# KiCad board pq-register.kicad_pcb (continued)
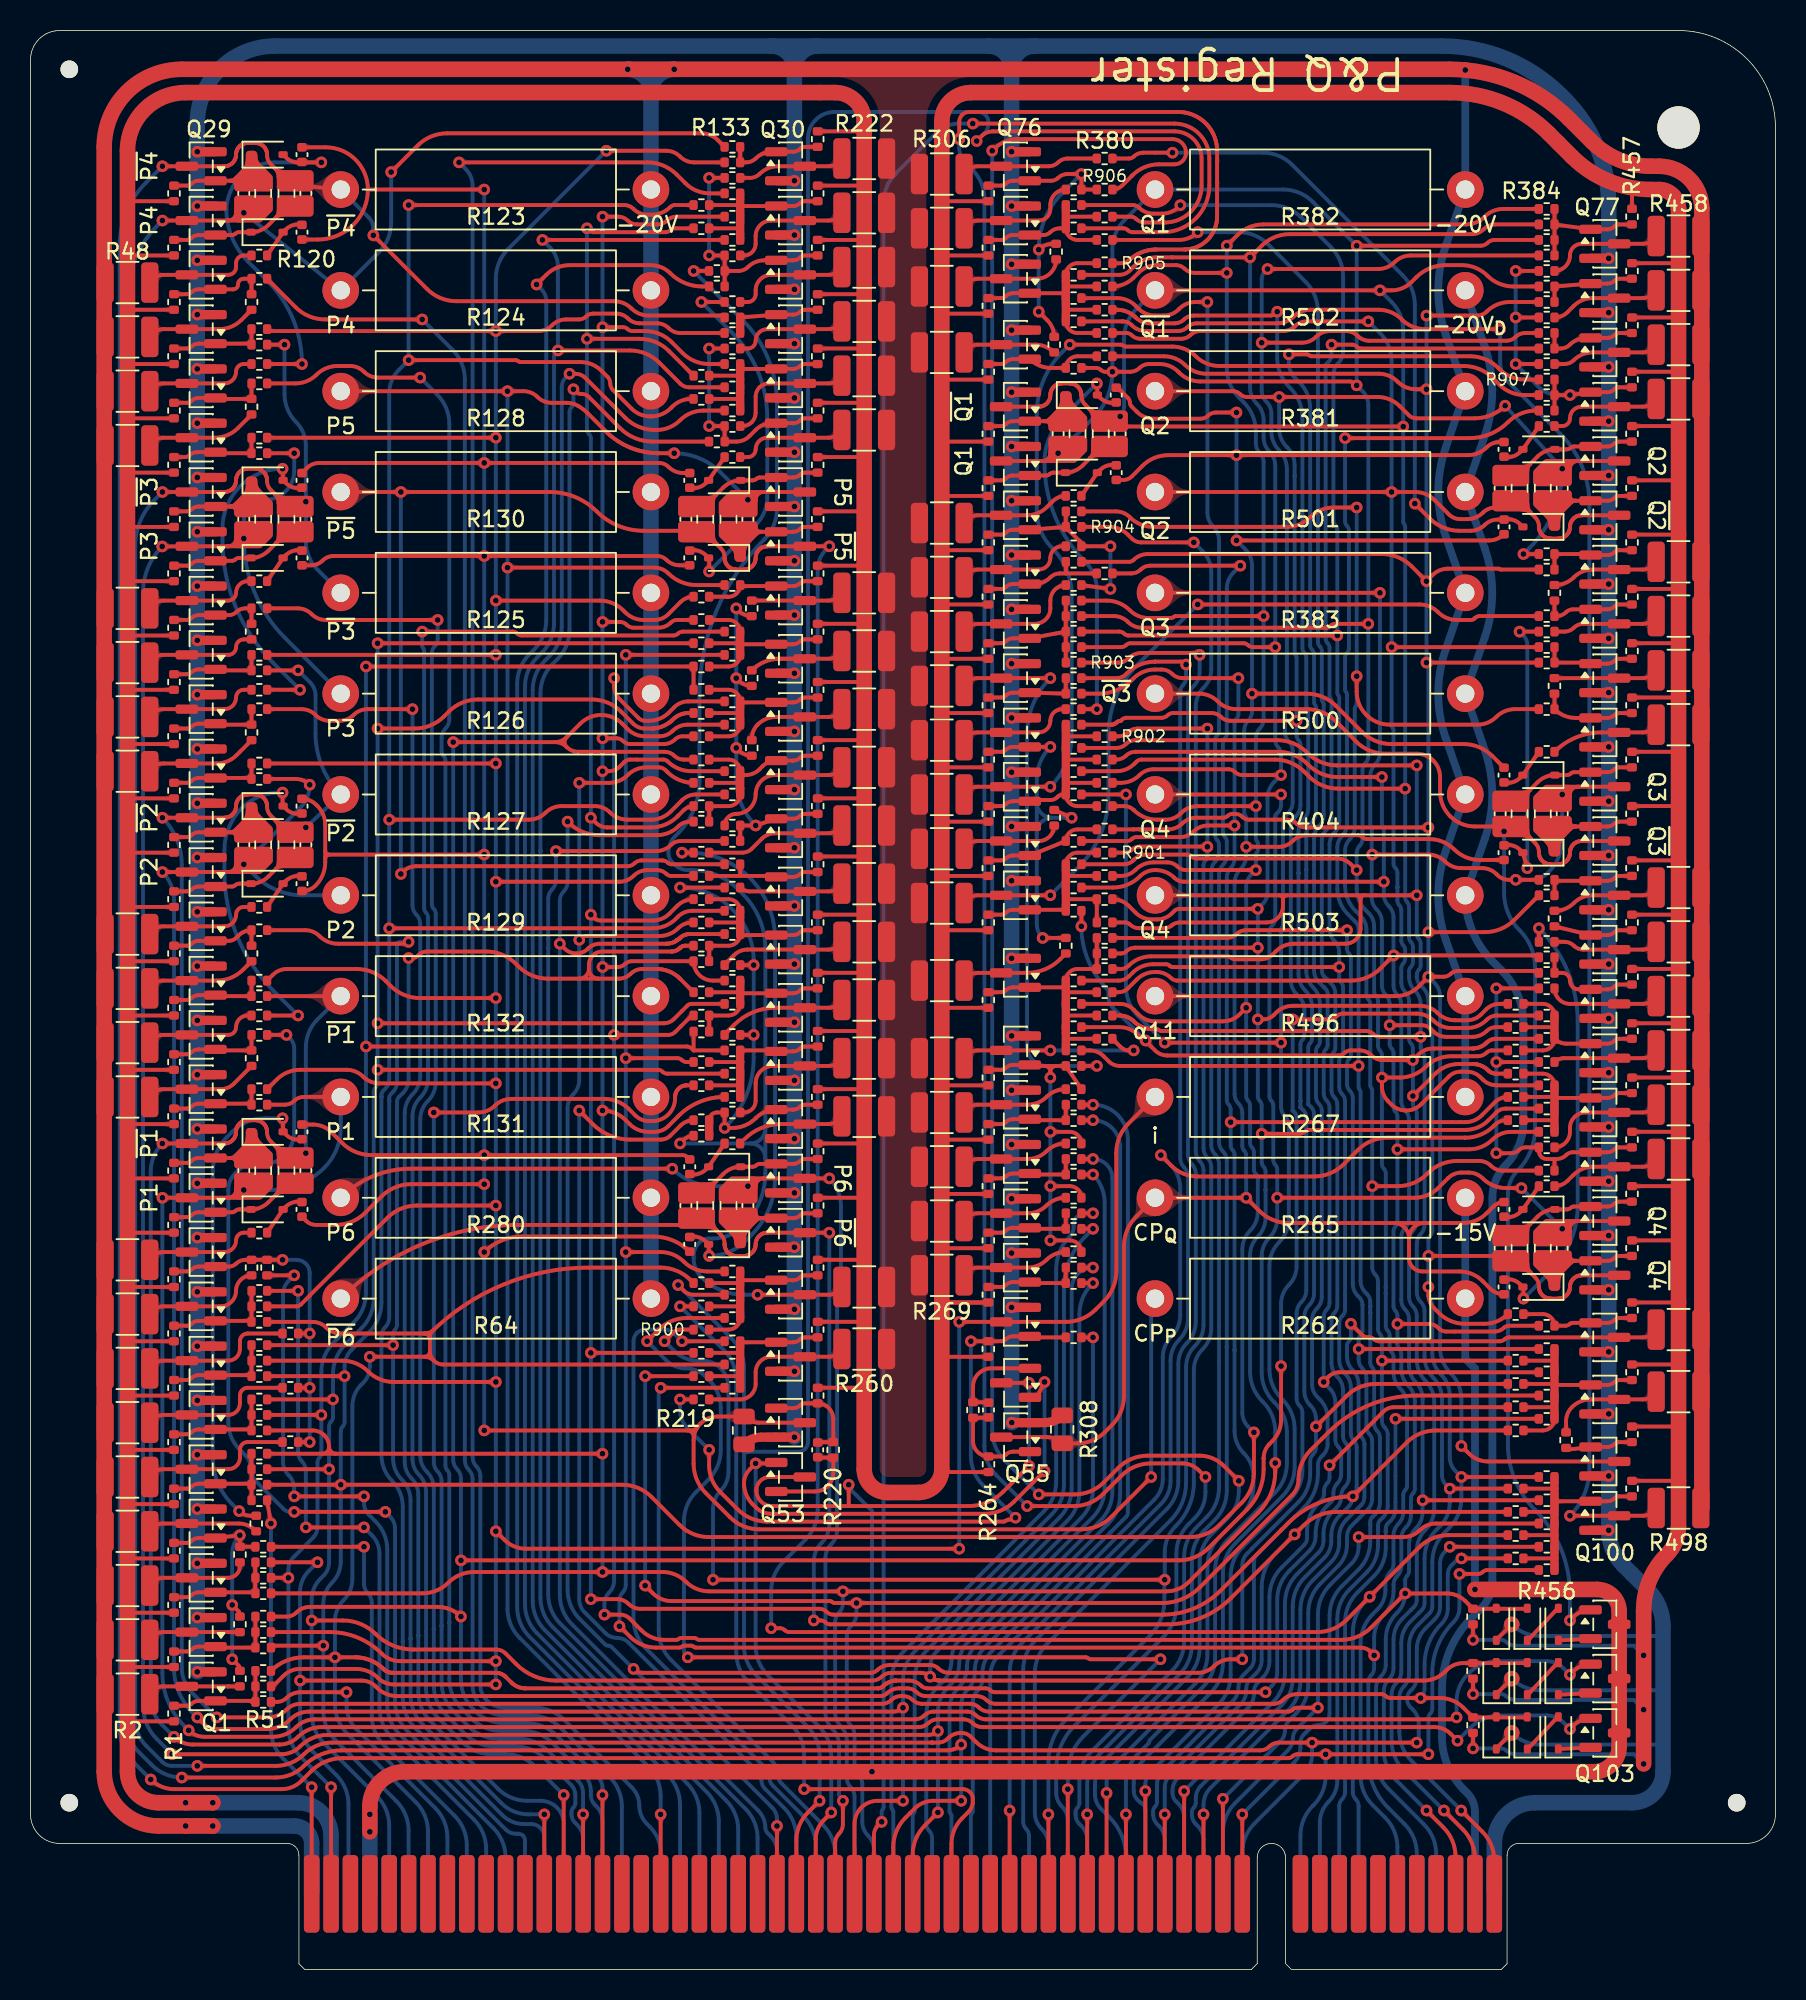
[diagram p0: board, top side]
## Routing (per net, layer and track width the routed paths; a pad name or vN(x,y) marks a point on that pad's centre or on a via; arc(x,y) is an arc through that point) (continued)
~{C}: length 92.4
  Top w0.254: R352.1 71.14,84.58 arc(71.47,84.65) 71.76,84.84 71.82,84.9 arc(72.66,85.46) 73.66,85.66 73.66,85.66 arc(73.66,85.66) 73.67,85.67 75.36,85.67 arc(75.49,85.64) 75.59,85.57 v1(75.69,85.47) ; v1(64.14,10.41) 64.14,4.95
  Bottom w0.254: v1(64.14,10.41) 64.14,19.45 arc(64.34,20.5) 64.93,21.38 74.05,30.5 arc(74.51,31.19) 74.68,32 74.68,39.88 arc(74.82,40.62) 75.25,41.26 arc(75.67,41.89) 75.82,42.63 75.82,51.92 arc(75.75,52.25) 75.56,52.53 arc(75.38,52.82) 75.31,53.15 75.31,83.68 arc(75.36,83.93) 75.5,84.14 arc(75.64,84.35) 75.69,84.6 v1(75.69,85.47)
~{Faf}: length 94.7
  Top w0.254: R333.1 78.38,67.56 arc(78.71,67.63) 78.99,67.82 arc(79.28,68.01) 79.61,68.07 v1(86.23,68.07) ; v1(86.99,40.64) R439.1 ; v1(78.11,11.18) 78.11,4.95
  Bottom w0.254: v1(86.23,68.07) 86.23,66.85 arc(86.27,66.69) 86.36,66.55 arc(86.45,66.41) 86.49,66.24 86.49,59.93 arc(86.45,59.77) 86.36,59.62 arc(86.27,59.48) 86.23,59.32 86.23,58 arc(86.28,57.75) 86.42,57.54 arc(86.56,57.33) 86.61,57.08 86.61,44.9 arc(86.7,44.48) 86.93,44.13 87.04,44.02 arc(87.2,43.79) 87.25,43.52 87.25,41.84 arc(87.22,41.67) 87.12,41.53 arc(87.03,41.39) 86.99,41.22 v1(86.99,40.64) 86.99,39.97 arc(87.06,39.63) 87.25,39.35 arc(87.44,39.07) 87.5,38.74 87.5,35.54 arc(87.55,35.29) 87.69,35.08 arc(87.83,34.86) 87.88,34.62 87.88,30.86 arc(87.8,30.45) 87.57,30.1 86.55,29.08 arc(86.31,28.73) 86.23,28.32 86.23,27.81 arc(86.09,27.08) 85.67,26.45 84.49,25.27 arc(83.9,24.39) 83.69,23.35 83.69,18.65 arc(83.49,17.65) 82.93,16.81 82.45,16.33 arc(82.24,16.01) 82.17,15.64 arc(82.09,15.27) 81.88,14.96 v1(78.11,11.18)
~{F}: length 177.5
  Top w0.254: v1(61.98,119.76) 62.3,120.09 arc(62.64,120.32) 63.05,120.4 63.45,120.4 arc(63.48,120.4) 63.51,120.4 arc(63.54,120.4) 63.58,120.4 74.93,120.4 arc(76.19,119.88) 76.71,118.62 76.71,116.84 arc(76,115.13) 74.3,114.43 73,114.43 arc(72.67,114.49) 72.39,114.68 arc(72.25,114.77) 72.08,114.81 R377.1 ; 50.16,4.95 50.16,8.45 arc(50.36,9.44) 50.93,10.29 v1(51.69,11.05) ; v1(42.42,44.83) 42.78,44.47 arc(43.08,44.27) 43.43,44.2 R211.1
  Bottom w0.254: v1(51.69,11.05) 51.69,13.99 arc(51.48,15.03) 50.89,15.91 47.53,19.27 arc(46.94,20.15) 46.74,21.19 46.74,33.63 ; v1(42.42,44.83) 45.94,41.31 arc(46.53,40.43) 46.74,39.39 46.74,34.19 ; 46.74,33.63 46.74,34.19 ; 46.74,33.63 arc(46.82,33.83) 47.02,33.91 ; v1(61.98,119.76) 62.47,120.25 arc(62.67,120.55) 62.74,120.9 62.74,121.02 arc(62.69,121.26) 62.55,121.48 arc(62.34,121.62) 62.09,121.67 52.66,121.67 arc(52,121.53) 51.44,121.16 arc(51.06,120.6) 50.93,119.93 50.93,34.56 arc(50.88,34.31) 50.74,34.1 arc(50.53,33.96) 50.28,33.91 47.02,33.91 ; 46.74,34.19 arc(46.82,33.99) 47.02,33.91
~{G}: length 285.5
  Top w0.254: R216.1 27.03,39.62 arc(26.7,39.69) 26.42,39.88 ; R441.1 85.73,39.12 arc(85.34,39.04) 85.01,38.82 84.72,38.53 arc(84.71,38.52) 84.71,38.5 v1(84.71,38.48) ; 25.78,41.66 26.16,41.66 ; 25.78,41.66 25.81,41.66 arc(26.14,41.72) 26.42,41.91 26.34,41.83 arc(26.21,41.63) 26.16,41.4 ; 25.78,41.66 20.3,41.66 arc(19.8,41.76) 19.38,42.04 arc(18.96,42.32) 18.46,42.42 R79.1 ; 25.78,41.66 arc(26.05,41.54) 26.16,41.27 ; 26.16,41.66 26.16,41.4 ; 26.16,41.66 arc(30.94,44.85) 36.59,45.97 41.27,45.97 arc(42.33,45.76) 43.22,45.17 R210.1 ; 26.16,41.27 26.16,41.4 ; 26.16,41.27 26.16,40.49 ; v1(80.9,18.16) 63.17,18.16 arc(63.01,18.19) 62.86,18.29 arc(62.72,18.38) 62.56,18.41 58.75,18.41 arc(58.53,18.46) 58.33,18.59 arc(57.96,18.84) 57.52,18.92 56.69,18.92 arc(56.69,18.92) 56.69,18.92 56.69,18.92 arc(56.68,18.92) 56.67,18.92 56.65,18.92 arc(56.63,18.92) 56.6,18.92 56.58,18.92 arc(56.57,18.92) 56.56,18.91 arc(56.55,18.91) 56.54,18.91 56.52,18.9 arc(56.49,18.9) 56.46,18.89 56.44,18.89 arc(56.4,18.88) 56.35,18.86 arc(56.3,18.85) 56.26,18.83 arc(56.21,18.81) 56.17,18.79 arc(56.13,18.77) 56.09,18.74 56.07,18.73 arc(56.05,18.72) 56.02,18.7 56,18.69 arc(56,18.68) 55.99,18.68 arc(55.98,18.67) 55.97,18.66 55.92,18.62 arc(55.91,18.61) 55.9,18.6 arc(55.89,18.6) 55.89,18.59 55.88,18.59 arc(55.87,18.57) 55.86,18.56 55.84,18.55 arc(55.83,18.53) 55.81,18.52 arc(55.8,18.51) 55.78,18.5 55.77,18.49 arc(55.75,18.48) 55.72,18.47 arc(55.7,18.45) 55.67,18.44 arc(55.64,18.44) 55.62,18.43 arc(55.59,18.42) 55.56,18.42 55.54,18.42 arc(55.53,18.42) 55.52,18.42 arc(55.5,18.42) 55.49,18.41 32.44,18.41 arc(32.42,18.42) 32.39,18.42 arc(32.36,18.42) 32.34,18.42 32.31,18.42 arc(32.26,18.42) 32.21,18.43 arc(32.16,18.44) 32.11,18.45 arc(32.06,18.46) 32.01,18.48 arc(31.97,18.5) 31.92,18.51 arc(31.87,18.53) 31.83,18.56 arc(31.78,18.58) 31.74,18.61 arc(31.69,18.63) 31.65,18.66 arc(31.61,18.69) 31.57,18.73 31.55,18.74 arc(31.53,18.76) 31.51,18.78 arc(31.5,18.8) 31.48,18.81 31.14,19.15 arc(31.13,19.16) 31.12,19.18 arc(31.1,19.19) 31.09,19.2 31.07,19.22 arc(31.04,19.24) 31.01,19.26 arc(30.97,19.29) 30.94,19.31 arc(30.9,19.33) 30.87,19.34 arc(30.83,19.36) 30.79,19.38 arc(30.76,19.39) 30.72,19.4 arc(30.68,19.41) 30.64,19.42 arc(30.6,19.42) 30.56,19.43 30.54,19.43 arc(30.52,19.43) 30.5,19.43 arc(30.48,19.43) 30.46,19.43 23.75,19.43 arc(23.73,19.43) 23.71,19.43 arc(23.69,19.43) 23.67,19.43 23.65,19.43 arc(23.61,19.44) 23.58,19.44 arc(23.54,19.45) 23.5,19.46 arc(23.47,19.47) 23.43,19.48 arc(23.4,19.5) 23.36,19.51 arc(23.33,19.53) 23.29,19.55 arc(23.26,19.57) 23.23,19.59 arc(23.2,19.61) 23.17,19.63 23.16,19.65 arc(23.14,19.66) 23.13,19.67 arc(23.11,19.69) 23.1,19.7 23.09,19.71 arc(23.07,19.73) 23.04,19.76 23.01,19.78 arc(22.96,19.82) 22.91,19.87 arc(22.86,19.91) 22.8,19.95 arc(22.75,19.99) 22.69,20.03 arc(22.63,20.06) 22.57,20.1 arc(22.52,20.13) 22.46,20.16 arc(22.39,20.19) 22.33,20.22 arc(22.27,20.25) 22.21,20.27 arc(22.14,20.3) 22.08,20.32 arc(22.01,20.34) 21.95,20.36 arc(21.88,20.37) 21.82,20.39 arc(21.75,20.4) 21.68,20.41 arc(21.61,20.42) 21.55,20.43 arc(21.48,20.44) 21.41,20.44 21.38,20.44 arc(21.34,20.45) 21.31,20.45 arc(21.27,20.45) 21.24,20.45 v1(19.94,20.45) 17.9,20.45 arc(16.73,20.22) R53.1 ; R375.1 75.23,113.28 arc(75.89,113.42) v1(76.45,113.79) ; 26.16,40.49 arc(26.06,40.24) 25.8,40.13 ; 26.16,40.49 arc(26.23,40.16) 26.42,39.88 ; 25.8,40.13 v1(22.22,40.13) ; 25.8,40.13 arc(26.13,40.07) 26.42,39.88
  Bottom w0.254: 84.71,64.35 84.71,64.35 ; 84.71,64.35 84.84,64.22 arc(84.93,64.08) 84.96,63.92 84.96,60.56 arc(84.93,60.4) 84.84,60.26 arc(84.74,60.12) 84.71,59.95 84.71,57.37 arc(84.76,57.12) 84.9,56.91 arc(85.04,56.7) 85.09,56.45 85.09,43.68 arc(85.04,43.43) 84.9,43.22 arc(84.76,43.01) 84.71,42.76 84.71,38.52 ; 84.71,64.35 84.71,64.35 ; 84.71,64.35 arc(84.71,64.35) 84.71,64.35 ; 84.71,64.35 arc(84.71,64.35) 84.71,64.35 ; 84.71,64.35 84.39,64.67 arc(84.16,65.02) 84.07,65.43 84.07,72.25 84.07,74.11 arc(84.16,74.53) 84.39,74.88 arc(84.63,75.23) 84.71,75.65 84.71,82.89 arc(84.69,82.97) 84.65,83.04 arc(84.6,83.11) 84.58,83.2 84.58,86.35 arc(84.55,86.52) 84.45,86.66 arc(84.36,86.8) 84.33,86.96 84.33,108.6 arc(84.12,109.64) 83.53,110.52 81.06,113 arc(80.18,113.58) 79.14,113.79 v1(76.45,113.79) ; v1(80.9,18.16) 81.28,18.54 arc(81.56,18.96) 81.66,19.46 81.66,24.19 arc(81.87,25.23) 82.46,26.11 83.79,27.45 arc(84.08,27.87) 84.18,28.37 84.18,28.54 arc(84.37,29.53) 84.94,30.38 85.2,30.64 arc(85.31,30.8) 85.34,30.99 85.34,31.22 arc(85.41,31.55) 85.6,31.83 arc(85.79,32.11) 85.85,32.45 85.85,33.77 arc(85.8,34.02) 85.66,34.23 arc(85.52,34.44) 85.47,34.69 85.47,37.14 arc(85.37,37.64) 85.09,38.06 84.72,38.43 arc(84.71,38.45) 84.71,38.46 v1(84.71,38.48) 84.71,38.52 ; 84.71,38.52 84.71,38.52 ; 84.71,38.52 84.71,38.52 ; 84.71,38.52 arc(84.71,38.52) 84.71,38.52 ; 84.71,38.52 arc(84.71,38.52) 84.71,38.52 ; 26.03,4.95 26.03,9.03 arc(25.83,10.07) 25.24,10.96 20.74,15.46 arc(20.15,16.34) 19.94,17.38 v1(19.94,20.45) 19.94,22.81 arc(20.09,23.56) 20.51,24.19 arc(20.93,24.83) 21.08,25.57 21.08,36.91 arc(21.23,37.66) 21.65,38.29 21.78,38.41 arc(22.11,38.91) 22.22,39.5 v1(22.22,40.13)
~{H'}: length 120.4
  Top w0.254: v1(85.22,106.43) 86.56,106.43 arc(86.73,106.39) 86.87,106.3 arc(87.01,106.21) 87.17,106.17 R393.1 ; v1(75.56,11.68) 75.56,4.95
  Bottom w0.254: v1(85.22,106.43) 85.22,105.76 arc(85.17,105.51) 85.03,105.3 84.87,105.14 arc(84.84,105.11) 84.84,105.07 84.84,105.03 ; 84.84,105.03 84.84,105.03 ; 84.84,105.03 84.84,105.03 ; 84.84,105.03 84.84,87.17 arc(84.87,87.01) 84.96,86.87 arc(85.06,86.73) 85.09,86.56 85.09,83.41 arc(85.11,83.32) 85.15,83.25 arc(85.2,83.18) 85.22,83.1 85.22,75.44 arc(85.13,75.02) 84.9,74.67 arc(84.66,74.32) 84.58,73.9 84.58,65.43 arc(84.63,65.21) 84.75,65.03 85.2,64.58 arc(85.4,64.28) 85.47,63.92 85.47,60.35 arc(85.44,60.19) 85.34,60.05 arc(85.25,59.9) 85.22,59.74 85.22,57.58 arc(85.27,57.33) 85.41,57.12 arc(85.55,56.91) 85.6,56.66 85.6,43.47 arc(85.55,43.22) 85.41,43.01 arc(85.27,42.8) 85.22,42.55 85.22,39.74 arc(85.32,39.24) 85.6,38.82 arc(85.88,38.4) 85.98,37.9 85.98,34.9 arc(86.03,34.66) 86.17,34.44 arc(86.31,34.23) 86.36,33.98 86.36,32.24 arc(86.29,31.9) 86.11,31.62 arc(85.92,31.34) 85.85,31.01 85.85,30.95 arc(85.78,30.58) 85.57,30.26 85.29,29.99 arc(84.85,29.33) 84.69,28.55 84.69,28.09 arc(84.61,27.67) 84.37,27.3 82.97,25.9 arc(82.38,25.02) 82.17,23.98 82.17,19.41 arc(81.96,18.37) 81.37,17.49 v1(75.56,11.68) ; 84.84,105.03 arc(84.84,105.03) 84.84,105.03 ; 84.84,105.03 arc(84.84,105.03) 84.84,105.03
~{H}: length 356.7
  Top w0.254: v1(36.7,40.39) R215.1 ; 86.59,30.99 v1(86.61,30.99) ; v1(86.61,30.99) 90.14,34.51 arc(91.02,35.1) 92.06,35.31 R446.1 ; v1(86.61,30.99) arc(84.31,30.53) 82.36,29.23 77.94,24.8 arc(76.21,23.65) 74.17,23.24 52.59,23.24 arc(52.34,23.29) 52.13,23.43 arc(51.92,23.57) 51.67,23.62 39.95,23.62 arc(39.53,23.7) 39.18,23.94 arc(38.83,24.17) 38.41,24.26 v1(36.7,24.26) ; R354.1 71.32,87.63 arc(71.49,87.6) 71.63,87.5 arc(71.77,87.41) 71.93,87.38 ; R149.1 41.82,106.01 arc(40.93,106.6) 39.89,106.81 v1(36.45,106.81) ; v1(75.32,115.56) 75.32,115.56 arc(75.32,115.56) 75.31,115.55 75.25,115.49 arc(74.73,115.13) 74.11,115 73.57,115 arc(73.05,115.11) 72.61,115.4 arc(72.42,115.53) 72.21,115.57 R378.1 ; 71.88,87.38 84.58,87.38 v1(85.6,87.38) ; v1(36.7,69.09) 36.89,68.9 arc(37.1,68.76) 37.35,68.71 40.77,68.71 arc(41.35,68.82) 41.85,69.16 42.35,69.66 arc(42.85,69.99) R185.1 ; R139.1 42.22,114.05 arc(42.05,114.01) 41.91,113.92 arc(41.77,113.83) 41.6,113.79 36.88,113.79 arc(36.72,113.83) 36.58,113.92 v1(36.45,114.05) ; R329.1 71.25,64.77 arc(71.64,64.85) 71.97,65.07 72.19,65.29 arc(72.8,65.7) 73.53,65.84 74.39,65.84 arc(74.51,65.82) 74.61,65.75 74.63,65.74 arc(74.71,65.68) 74.81,65.66 v1(85.73,65.66) ; v1(36.7,75.44) 37.02,75.12 arc(37.37,74.89) 37.79,74.8 40.64,74.8 arc(41.58,74.99) 42.37,75.52 42.79,75.93 arc(43.08,76.13) R177.1
  Bottom w0.254: v1(36.7,24.26) v1(36.7,40.39) v1(36.7,69.09) v1(36.7,75.44) 36.7,100.28 arc(36.67,100.44) 36.58,100.58 arc(36.48,100.72) 36.45,100.89 v1(36.45,106.81) v1(36.45,114.05) ; 76.83,4.95 76.83,8.48 arc(76.74,8.98) 76.45,9.4 76.32,9.53 arc(76.14,9.81) 76.07,10.13 76.07,10.3 arc(76.11,10.46) 76.2,10.6 arc(76.29,10.74) 76.33,10.91 76.33,11.21 arc(76.41,11.65) 76.66,12.02 81.96,17.32 arc(82.49,18.11) 82.68,19.05 82.68,23.77 arc(82.88,24.81) 83.47,25.69 84.76,26.98 arc(85.09,27.47) 85.21,28.06 85.21,28.43 arc(85.35,29.13) 85.74,29.72 86.33,30.31 arc(86.54,30.62) v1(86.61,30.99) ; v1(75.32,115.56) 81.3,115.56 arc(82.34,115.36) 83.23,114.77 85.18,112.81 arc(85.77,111.93) 85.98,110.89 85.98,105.99 arc(85.9,105.57) 85.66,105.22 arc(85.43,104.87) 85.34,104.45 85.34,94.9 arc(85.38,94.74) 85.47,94.6 arc(85.56,94.46) 85.6,94.29 v1(85.6,87.38) 85.6,83.62 arc(85.61,83.53) 85.66,83.46 arc(85.71,83.39) 85.73,83.31 85.73,75.23 arc(85.64,74.81) 85.41,74.46 arc(85.17,74.11) 85.09,73.69 85.09,68.14 arc(85.17,67.73) 85.41,67.37 arc(85.64,67.02) 85.73,66.61 v1(85.73,65.66) 85.73,64.95 arc(85.76,64.78) 85.85,64.64 arc(85.95,64.5) 85.98,64.34 85.98,60.14 arc(85.95,59.98) 85.85,59.84 arc(85.76,59.69) 85.73,59.53 85.73,57.79 arc(85.77,57.54) 85.92,57.33 arc(86.06,57.12) 86.11,56.87 86.11,43.21 arc(86.06,43) 85.95,42.83 85.92,42.8 arc(85.77,42.59) 85.73,42.34 85.73,39.95 arc(85.82,39.45) 86.11,39.03 arc(86.39,38.61) 86.49,38.11 86.49,35.11 arc(86.54,34.87) 86.68,34.65 arc(86.82,34.44) 86.87,34.19 86.87,31.6 arc(86.8,31.27) v1(86.61,30.99) ; v1(86.61,30.99) 86.61,30.78 ; v1(86.61,30.99) 86.74,31.12
~{ic}: length 41.4
  Top w0.254: v1(69.6,41.4) R309.1
  Bottom w0.254: v1(69.6,41.4) 69.6,31.48 arc(69.39,30.44) 68.8,29.56 60.91,21.67 arc(60.48,21.02) 60.33,20.26 arc(60.17,19.49) 59.74,18.85 59.47,18.58 arc(58.88,17.69) 58.67,16.65 58.67,9.54 arc(58.72,9.29) 58.86,9.08 arc(59.01,8.87) 59.05,8.62 59.05,4.95
~{O1}: length 117.3
  Top w0.254: R371.1 71.16,109.47 arc(71.83,109.34) 72.39,108.97 72.58,108.78 arc(73.07,108.45) 73.66,108.33 74.23,108.33 arc(74.76,108.44) 75.21,108.74 75.25,108.78 arc(75.74,109.1) 76.32,109.22 v1(77.09,109.22)
  Bottom w0.254: v1(77.09,109.22) 77.09,95.43 arc(77.19,94.94) 77.47,94.51 arc(77.75,94.09) 77.85,93.59 77.85,81.14 arc(77.82,80.98) 77.72,80.84 arc(77.63,80.7) 77.6,80.53 77.6,74.28 arc(77.63,74.12) 77.72,73.98 arc(77.82,73.83) 77.85,73.67 77.85,73.17 arc(77.78,72.84) 77.6,72.56 arc(77.41,72.28) 77.34,71.95 77.34,53.99 arc(77.41,53.66) 77.6,53.38 arc(77.78,53.09) 77.85,52.76 77.85,39.81 77.85,31.57 arc(77.64,30.53) 77.05,29.64 76.36,28.95 arc(75.77,28.07) 75.57,27.03 75.56,21.49 arc(75.36,20.45) 74.77,19.56 69.5,14.3 arc(68.91,13.42) 68.71,12.37 68.71,10.91 arc(68.67,10.74) 68.58,10.6 arc(68.49,10.46) 68.45,10.3 68.45,10.13 arc(68.52,9.81) 68.7,9.53 68.83,9.4 arc(69.12,8.98) 69.21,8.48 69.21,4.95
~{P1c}: length 31.3
  Top w0.254: v1(21.84,27.69) R63.1
  Bottom w0.254: v1(21.84,27.69) 21.84,25.25 arc(21.91,24.92) 22.1,24.64 arc(22.29,24.36) 22.35,24.02 22.35,16.62 arc(22.56,15.58) 23.15,14.7 27.78,10.07 arc(28.37,9.19) 28.58,8.14 28.58,4.95
~{P1d}: length 50.8
  Top w0.254: v1(17.27,45.47) 17.27,45.46 arc(17.27,45.46) 17.27,45.46 R83.1 ; v1(21.84,30.99) v1(17.27,30.99)
  Bottom w0.254: v1(17.27,45.47) 16.91,45.1 arc(16.64,44.7) 16.54,44.22 16.54,33.25 arc(16.64,32.77) 16.91,32.37 16.91,32.36 arc(17.18,31.97) 17.27,31.5 v1(17.27,30.99) ; 31.11,4.95 31.11,7.34 arc(30.91,8.38) 30.32,9.26 24.16,15.42 arc(23.58,16.3) 23.37,17.34 23.37,21.04 23.37,27.5 arc(23.17,28.49) 22.61,29.34 22.16,29.78 arc(21.93,30.13) 21.84,30.54 v1(21.84,30.99)
~{P1}: length 121
  Top w0.254: v1(93.73,26.92) R455.1 ; v1(17.65,18.92) 21.69,18.92 arc(22.18,18.82) 22.61,18.54 22.7,18.45 arc(23.3,18.05) 24,17.91 55.68,17.91 arc(55.9,17.95) 56.09,18.08 arc(56.46,18.33) 56.9,18.41 57.43,18.41 arc(57.76,18.35) 58.04,18.16 arc(58.32,17.97) 58.65,17.91 62,17.91 arc(62.33,17.84) 62.61,17.65 arc(62.89,17.47) 63.22,17.4 81.43,17.4 arc(81.76,17.47) 82.04,17.65 arc(82.46,17.93) 82.96,18.03 88.47,18.03 arc(88.63,18) 88.77,17.91 arc(88.91,17.81) 89.08,17.78 v1(91.06,17.78) 92.32,17.78 arc(93.15,17.62) 93.85,17.15 R504.1 97.97,16.51 ; v1(18.8,26.67) R61.1
  Bottom w0.254: v1(18.8,26.67) 18.22,26.1 arc(17.8,25.47) 17.65,24.72 v1(17.65,18.92) 17.65,16.24 arc(17.86,15.2) 18.45,14.32 20.03,12.73 arc(20.62,11.85) 20.83,10.81 20.83,5.17 arc(20.84,5.09) 20.89,5.02 20.95,4.95 ; v1(91.06,17.78) arc(91.25,18.06) 91.31,18.39 91.31,19.97 arc(91.6,21.41) 92.42,22.63 arc(92.73,23.1) 92.84,23.65 92.84,25.91 arc(92.9,26.2) 93.06,26.45 93.4,26.79 arc(93.55,26.89) v1(93.73,26.92)
~{P2c}: length 72.2
  Top w0.254: v1(16.76,61.21) R90.1 ; v1(23.24,29.97) v1(17.27,29.97)
  Bottom w0.254: v1(16.76,61.21) 17.02,60.96 arc(17.21,60.68) 17.27,60.35 17.27,54.86 arc(17.11,54.04) 16.64,53.35 16.51,53.21 arc(16.09,52.93) 15.59,52.83 14.82,52.83 arc(14.15,52.7) 13.59,52.32 13.4,52.14 arc(13.07,51.64) 12.95,51.05 12.95,35.84 arc(13.15,34.88) 13.69,34.06 14.07,33.68 arc(14.33,33.29) 14.43,32.82 arc(14.52,32.35) 14.79,31.95 16.58,30.15 arc(16.78,30.02) 17.02,29.97 v1(17.27,29.97) ; 32.38,4.95 32.38,8.46 arc(32.35,8.62) 32.26,8.76 arc(32.12,8.86) 31.95,8.89 31.77,8.89 arc(31.44,8.96) 31.15,9.15 24.67,15.63 arc(24.08,16.51) 23.88,17.55 23.88,21.25 23.88,28.89 arc(23.79,29.3) 23.56,29.65 v1(23.24,29.97)
~{P2d}: length 77.8
  Top w0.254: v1(24.77,67.31) 24.7,67.25 arc(24.63,67.2) 24.55,67.18 20.15,67.18 arc(19.49,67.32) 18.92,67.69 arc(18.5,67.97) 18,68.07 R95.1
  Bottom w0.254: 24.38,21.46 24.38,17.76 arc(24.59,16.72) 25.18,15.84 30.91,10.11 arc(31.56,9.68) 32.32,9.52 32.79,9.52 arc(33.12,9.46) 33.4,9.27 arc(33.59,8.99) 33.66,8.66 33.66,4.95 ; 24.38,21.46 24.38,21.46 ; 24.38,21.46 24.38,21.46 ; 24.38,21.46 arc(24.38,21.46) 24.38,21.46 ; 24.38,21.46 arc(24.38,21.46) 24.38,21.46 ; 23.5,56.9 23.49,56.9 ; 23.5,56.9 23.49,56.9 ; 23.5,56.9 23.5,57.06 arc(23.53,57.22) 23.61,57.35 23.75,57.48 arc(23.94,57.77) 24,58.1 24,61.07 ; 23.5,56.9 arc(23.49,56.9) 23.49,56.9 ; 23.5,56.9 arc(23.49,56.9) 23.49,56.9 ; 23.49,56.9 23.49,42.69 arc(23.43,42.36) 23.24,42.08 arc(23.05,41.8) 22.99,41.47 22.99,33.69 arc(23.17,32.78) 23.69,32 arc(24.2,31.23) 24.38,30.32 24.38,21.46 ; 24,61.07 24,67.09 arc(24.02,67.18) 24.07,67.25 arc(24.14,67.29) 24.22,67.31 v1(24.77,67.31) ; 24,61.07 24,61.07 ; 24,61.07 24,61.07 ; 24,61.07 arc(24,61.07) 24,61.07 ; 24,61.07 arc(24,61.07) 24,61.07
~{P2}: length 198.1
  Top w0.254: v1(17.53,85.09) R104.1 ; 16,75.31 15.73,75.58 arc(15.56,75.84) 15.49,76.16 15.49,76.18 arc(15.49,76.2) 15.49,76.22 arc(15.49,76.24) 15.49,76.25 15.49,76.27 arc(15.49,76.31) 15.48,76.34 arc(15.47,76.37) 15.46,76.41 arc(15.45,76.44) 15.44,76.48 arc(15.43,76.51) 15.41,76.54 arc(15.4,76.57) 15.38,76.6 arc(15.36,76.63) 15.34,76.66 arc(15.32,76.69) 15.29,76.71 arc(15.27,76.74) 15.25,76.76 arc(15.22,76.79) 15.19,76.81 arc(15.16,76.83) 15.13,76.85 arc(15.1,76.87) 15.07,76.88 arc(15.04,76.9) 15.01,76.91 arc(14.97,76.92) 14.94,76.93 arc(14.91,76.94) 14.87,76.95 arc(14.84,76.95) 14.8,76.96 14.78,76.96 arc(14.77,76.96) 14.75,76.96 arc(14.73,76.96) 14.71,76.96 14.24,76.96 arc(14.22,76.96) 14.21,76.96 arc(14.19,76.96) 14.17,76.96 14.15,76.96 arc(14.12,76.95) 14.08,76.95 arc(14.05,76.94) 14.02,76.93 arc(13.98,76.92) 13.95,76.91 arc(13.92,76.9) 13.88,76.88 arc(13.85,76.87) 13.82,76.85 arc(13.79,76.83) 13.76,76.81 arc(13.74,76.79) 13.71,76.76 arc(13.69,76.74) 13.66,76.71 arc(13.64,76.69) 13.62,76.66 arc(13.6,76.63) 13.58,76.6 arc(13.56,76.57) 13.54,76.54 arc(13.53,76.51) 13.51,76.48 arc(13.5,76.44) 13.49,76.41 arc(13.48,76.37) 13.48,76.34 arc(13.47,76.31) 13.47,76.27 arc(13.46,76.24) 13.46,76.2 arc(13.46,76.16) 13.46,76.13 arc(13.45,76.09) 13.45,76.06 arc(13.44,76.03) 13.43,75.99 arc(13.42,75.96) 13.41,75.92 arc(13.4,75.89) 13.38,75.86 arc(13.37,75.83) 13.35,75.8 arc(13.33,75.77) 13.31,75.74 arc(13.29,75.71) 13.26,75.69 arc(13.24,75.66) 13.21,75.64 arc(13.19,75.61) 13.16,75.59 arc(13.13,75.57) 13.1,75.55 arc(13.07,75.53) 13.04,75.52 arc(13.01,75.5) 12.98,75.49 arc(12.94,75.48) 12.91,75.47 arc(12.87,75.46) 12.84,75.45 arc(12.81,75.45) 12.77,75.44 12.75,75.44 arc(12.74,75.44) 12.72,75.44 arc(12.7,75.44) 12.68,75.44 Q17.3 v1(8.64,75.44) ; 16,75.31 16.08,75.24 ; 16,75.31 16.64,74.68 ; 16,75.31 arc(16.19,75.03) 16.26,74.7 16.26,74.68 ; 16,75.31 arc(16.28,75.12) 16.62,75.06 16.64,75.06 ; v1(86.99,28.32) 89.92,28.32 arc(90.5,28.44) 91,28.77 arc(91.49,29.09) 92.07,29.21 R452.1 ; v1(12.19,16.51) 15.54,16.51 arc(16.2,16.64) 16.76,17.02 arc(17.19,17.3) 17.68,17.4 55.77,17.4 arc(56.11,17.47) 56.39,17.65 arc(56.67,17.84) 57,17.91 57.17,17.91 arc(57.5,17.84) 57.79,17.65 arc(58.07,17.47) 58.4,17.4 61.55,17.4 arc(61.86,17.34) 62.12,17.16 arc(62.42,16.96) 62.77,16.89 82.37,16.89 arc(82.54,16.92) 82.68,17.02 arc(82.82,17.11) 82.98,17.14 v1(84.33,17.14) ; v1(18.03,74.8) C5.2
  Bottom w0.254: 9.91,20.7 9.91,20.7 ; 9.91,20.7 9.91,72.37 arc(9.58,74.03) v1(8.64,75.44) ; 9.91,20.7 9.91,20.7 ; 9.91,20.7 arc(9.91,20.7) 9.91,20.7 ; 9.91,20.7 arc(9.91,20.7) 9.91,20.7 ; 9.91,20.7 9.91,19.75 arc(10.08,18.87) 10.58,18.12 v1(12.19,16.51) ; 78.11,4.95 78.11,8.97 arc(78.31,10.01) 78.9,10.9 82.39,14.38 arc(82.6,14.7) 82.68,15.08 arc(82.75,15.46) 82.97,15.79 v1(84.33,17.14) 84.33,23.26 arc(84.54,24.31) 85.12,25.19 86.55,26.61 arc(86.88,27.11) 86.99,27.69 v1(86.99,28.32) ; v1(18.03,74.8) R127.2 arc(19.1,78.79) 18.67,80.95 18.67,83.44 arc(18.58,83.91) 18.31,84.31 v1(17.53,85.09)
~{P3c}: length 93.3
  Top w0.254: R102.1 17.75,82.55 arc(18.25,82.45) 18.67,82.17 arc(19.09,81.89) 19.59,81.79 20.24,81.79 arc(20.74,81.89) 21.16,82.17 arc(21.58,82.45) 22.08,82.55 v1(25.02,82.55)
  Bottom w0.254: 34.92,4.95 34.92,9.53 arc(34.81,10.11) 34.48,10.6 arc(33.99,10.93) 33.41,11.05 32.53,11.05 arc(31.49,11.26) 30.61,11.85 26.2,16.26 arc(25.61,17.14) 25.4,18.18 25.4,21.88 25.4,31.1 arc(25.28,31.68) 24.96,32.17 arc(24.63,32.66) 24.51,33.24 24.51,56.09 arc(24.64,56.75) 25.02,57.32 arc(25.39,57.88) 25.53,58.54 25.53,68.47 arc(25.46,68.81) 25.27,69.09 arc(25.09,69.37) 25.02,69.7 v1(25.02,82.55)
~{P3d}: length 101.4
  Top w0.254: R107.1 17.5,89.15 arc(17.99,89.05) 18.41,88.77 arc(18.84,88.49) 19.33,88.39 v1(26.67,88.39)
  Bottom w0.254: 36.19,4.95 36.19,8.54 arc(36.1,9.04) 35.81,9.46 35.66,9.62 arc(35.49,9.87) 35.43,10.16 35.43,10.3 arc(35.47,10.46) 35.56,10.6 arc(35.65,10.74) 35.69,10.91 35.69,11.43 arc(35.62,11.78) 35.42,12.08 33.69,13.81 arc(32.81,14.4) 31.77,14.6 30.41,14.6 arc(29.37,14.81) 28.49,15.4 27.21,16.68 arc(26.62,17.56) 26.42,18.6 26.42,22.3 26.42,31.52 arc(26.3,32.1) 25.97,32.59 arc(25.64,33.08) 25.53,33.66 25.53,55.67 arc(25.66,56.33) 26.03,56.9 arc(26.41,57.46) 26.54,58.12 26.54,69.16 arc(26.51,69.33) 26.42,69.47 arc(26.32,69.61) 26.29,69.78 26.29,86.22 arc(26.34,86.47) 26.48,86.68 arc(26.62,86.89) 26.67,87.14 v1(26.67,88.39)
~{P3}: length 230
  Top w0.254: 59.05,14.86 59.05,14.86 ; 59.05,14.86 21.46,14.86 ; 59.05,14.86 59.05,14.86 ; 59.05,14.86 arc(59.05,14.86) 59.05,14.86 ; 59.05,14.86 arc(59.05,14.86) 59.05,14.86 ; 59.05,14.86 59.46,14.86 arc(59.79,14.93) 60.07,15.11 60.11,15.15 arc(60.49,15.4) 60.94,15.49 60.98,15.49 arc(61.31,15.43) 61.59,15.24 61.95,14.89 arc(62.54,14.49) 63.25,14.35 80.54,14.35 arc(80.87,14.42) 81.15,14.6 arc(81.43,14.79) 81.77,14.86 v1(83.95,14.86) v1(90.8,14.86) ; v1(10.92,13.33) 16.07,13.33 arc(17.06,13.53) 17.91,14.1 arc(18.75,14.66) 19.75,14.86 21.46,14.86 ; 21.46,14.86 21.46,14.86 ; 21.46,14.86 21.46,14.86 ; 21.46,14.86 arc(21.46,14.86) 21.46,14.86 ; 21.46,14.86 arc(21.46,14.86) 21.46,14.86 ; 21.46,14.86 21.46,14.86 ; 21.46,14.86 arc(21.46,14.86) 21.46,14.86 ; 16.64,96.39 16.62,96.39 arc(16.28,96.46) 16,96.65 ; v1(92.96,27.69) R454.1 ; v1(16.64,106.43) R116.1 ; v1(18.03,96.14) C9.2 ; 16.26,96.01 16.26,96.03 arc(16.19,96.37) 16,96.65 ; v1(8.64,96.77) Q23.3 12.68,96.77 arc(12.7,96.77) 12.72,96.77 arc(12.74,96.77) 12.75,96.78 12.77,96.78 arc(12.81,96.78) 12.84,96.79 arc(12.87,96.79) 12.91,96.8 arc(12.94,96.81) 12.98,96.83 arc(13.01,96.84) 13.04,96.85 arc(13.07,96.87) 13.1,96.89 arc(13.13,96.91) 13.16,96.93 arc(13.19,96.95) 13.21,96.97 arc(13.24,97) 13.26,97.02 arc(13.29,97.05) 13.31,97.08 arc(13.33,97.11) 13.35,97.14 arc(13.37,97.17) 13.38,97.2 arc(13.4,97.23) 13.41,97.26 arc(13.42,97.29) 13.43,97.33 arc(13.44,97.36) 13.45,97.4 arc(13.45,97.43) 13.46,97.47 arc(13.46,97.5) 13.46,97.54 arc(13.46,97.57) 13.47,97.61 arc(13.47,97.64) 13.48,97.68 arc(13.48,97.71) 13.49,97.74 arc(13.5,97.78) 13.51,97.81 arc(13.53,97.84) 13.54,97.88 arc(13.56,97.91) 13.58,97.94 arc(13.6,97.97) 13.62,98 arc(13.64,98.02) 13.66,98.05 arc(13.69,98.07) 13.71,98.1 arc(13.74,98.12) 13.76,98.14 arc(13.79,98.16) 13.82,98.18 arc(13.85,98.2) 13.88,98.22 arc(13.92,98.23) 13.95,98.25 arc(13.98,98.26) 14.02,98.27 arc(14.05,98.28) 14.08,98.28 arc(14.12,98.29) 14.15,98.29 14.17,98.3 arc(14.19,98.3) 14.21,98.3 arc(14.22,98.3) 14.24,98.3 14.71,98.3 arc(14.73,98.3) 14.75,98.3 arc(14.77,98.3) 14.78,98.3 14.8,98.29 arc(14.84,98.29) 14.87,98.28 arc(14.91,98.28) 14.94,98.27 arc(14.97,98.26) 15.01,98.25 arc(15.04,98.23) 15.07,98.22 arc(15.1,98.2) 15.13,98.18 arc(15.16,98.16) 15.19,98.14 arc(15.22,98.12) 15.25,98.1 arc(15.27,98.07) 15.29,98.05 arc(15.32,98.02) 15.34,98 arc(15.36,97.97) 15.38,97.94 arc(15.4,97.91) 15.41,97.88 arc(15.43,97.84) 15.44,97.81 arc(15.45,97.78) 15.46,97.74 arc(15.47,97.71) 15.48,97.68 arc(15.49,97.64) 15.49,97.61 15.49,97.59 arc(15.49,97.57) 15.49,97.55 arc(15.49,97.54) 15.49,97.52 15.49,97.49 arc(15.56,97.18) 15.73,96.92 16,96.65 ; 16,96.65 16.64,96.01 ; 16,96.65 16.08,96.57
  Bottom w0.254: v1(83.95,14.86) 83.95,14.1 arc(83.81,13.39) 83.41,12.8 80.17,9.56 arc(79.58,8.68) 79.37,7.64 79.37,4.95 ; v1(8.64,96.77) 8.12,96.25 arc(7.18,94.86) 6.86,93.22 6.86,16.38 arc(7.04,15.44) 7.58,14.65 8.64,13.59 arc(8.92,13.4) 9.25,13.33 v1(10.92,13.33) ; R125.2 18.8,91.69 arc(18.23,92.54) 18.03,93.53 18.03,99.81 arc(17.87,100.64) 17.4,101.35 arc(16.84,102.19) 16.64,103.19 v1(16.64,106.43) ; v1(92.96,27.69) 92.65,27.37 arc(92.41,27.02) 92.33,26.6 92.33,23.75 arc(92.25,23.33) 92.01,22.97 91.38,22.34 arc(90.95,21.71) 90.81,20.96 90.8,19.12 arc(90.72,18.7) 90.49,18.35 90.39,18.26 arc(90.23,18.01) 90.17,17.72 arc(90.23,17.42) 90.39,17.17 90.55,17.02 arc(90.83,16.6) 90.93,16.1 90.93,15.08 arc(90.92,14.99) 90.87,14.92 v1(90.8,14.86)
